# Allegro board SDHCalFEB20180110.brd (continued)
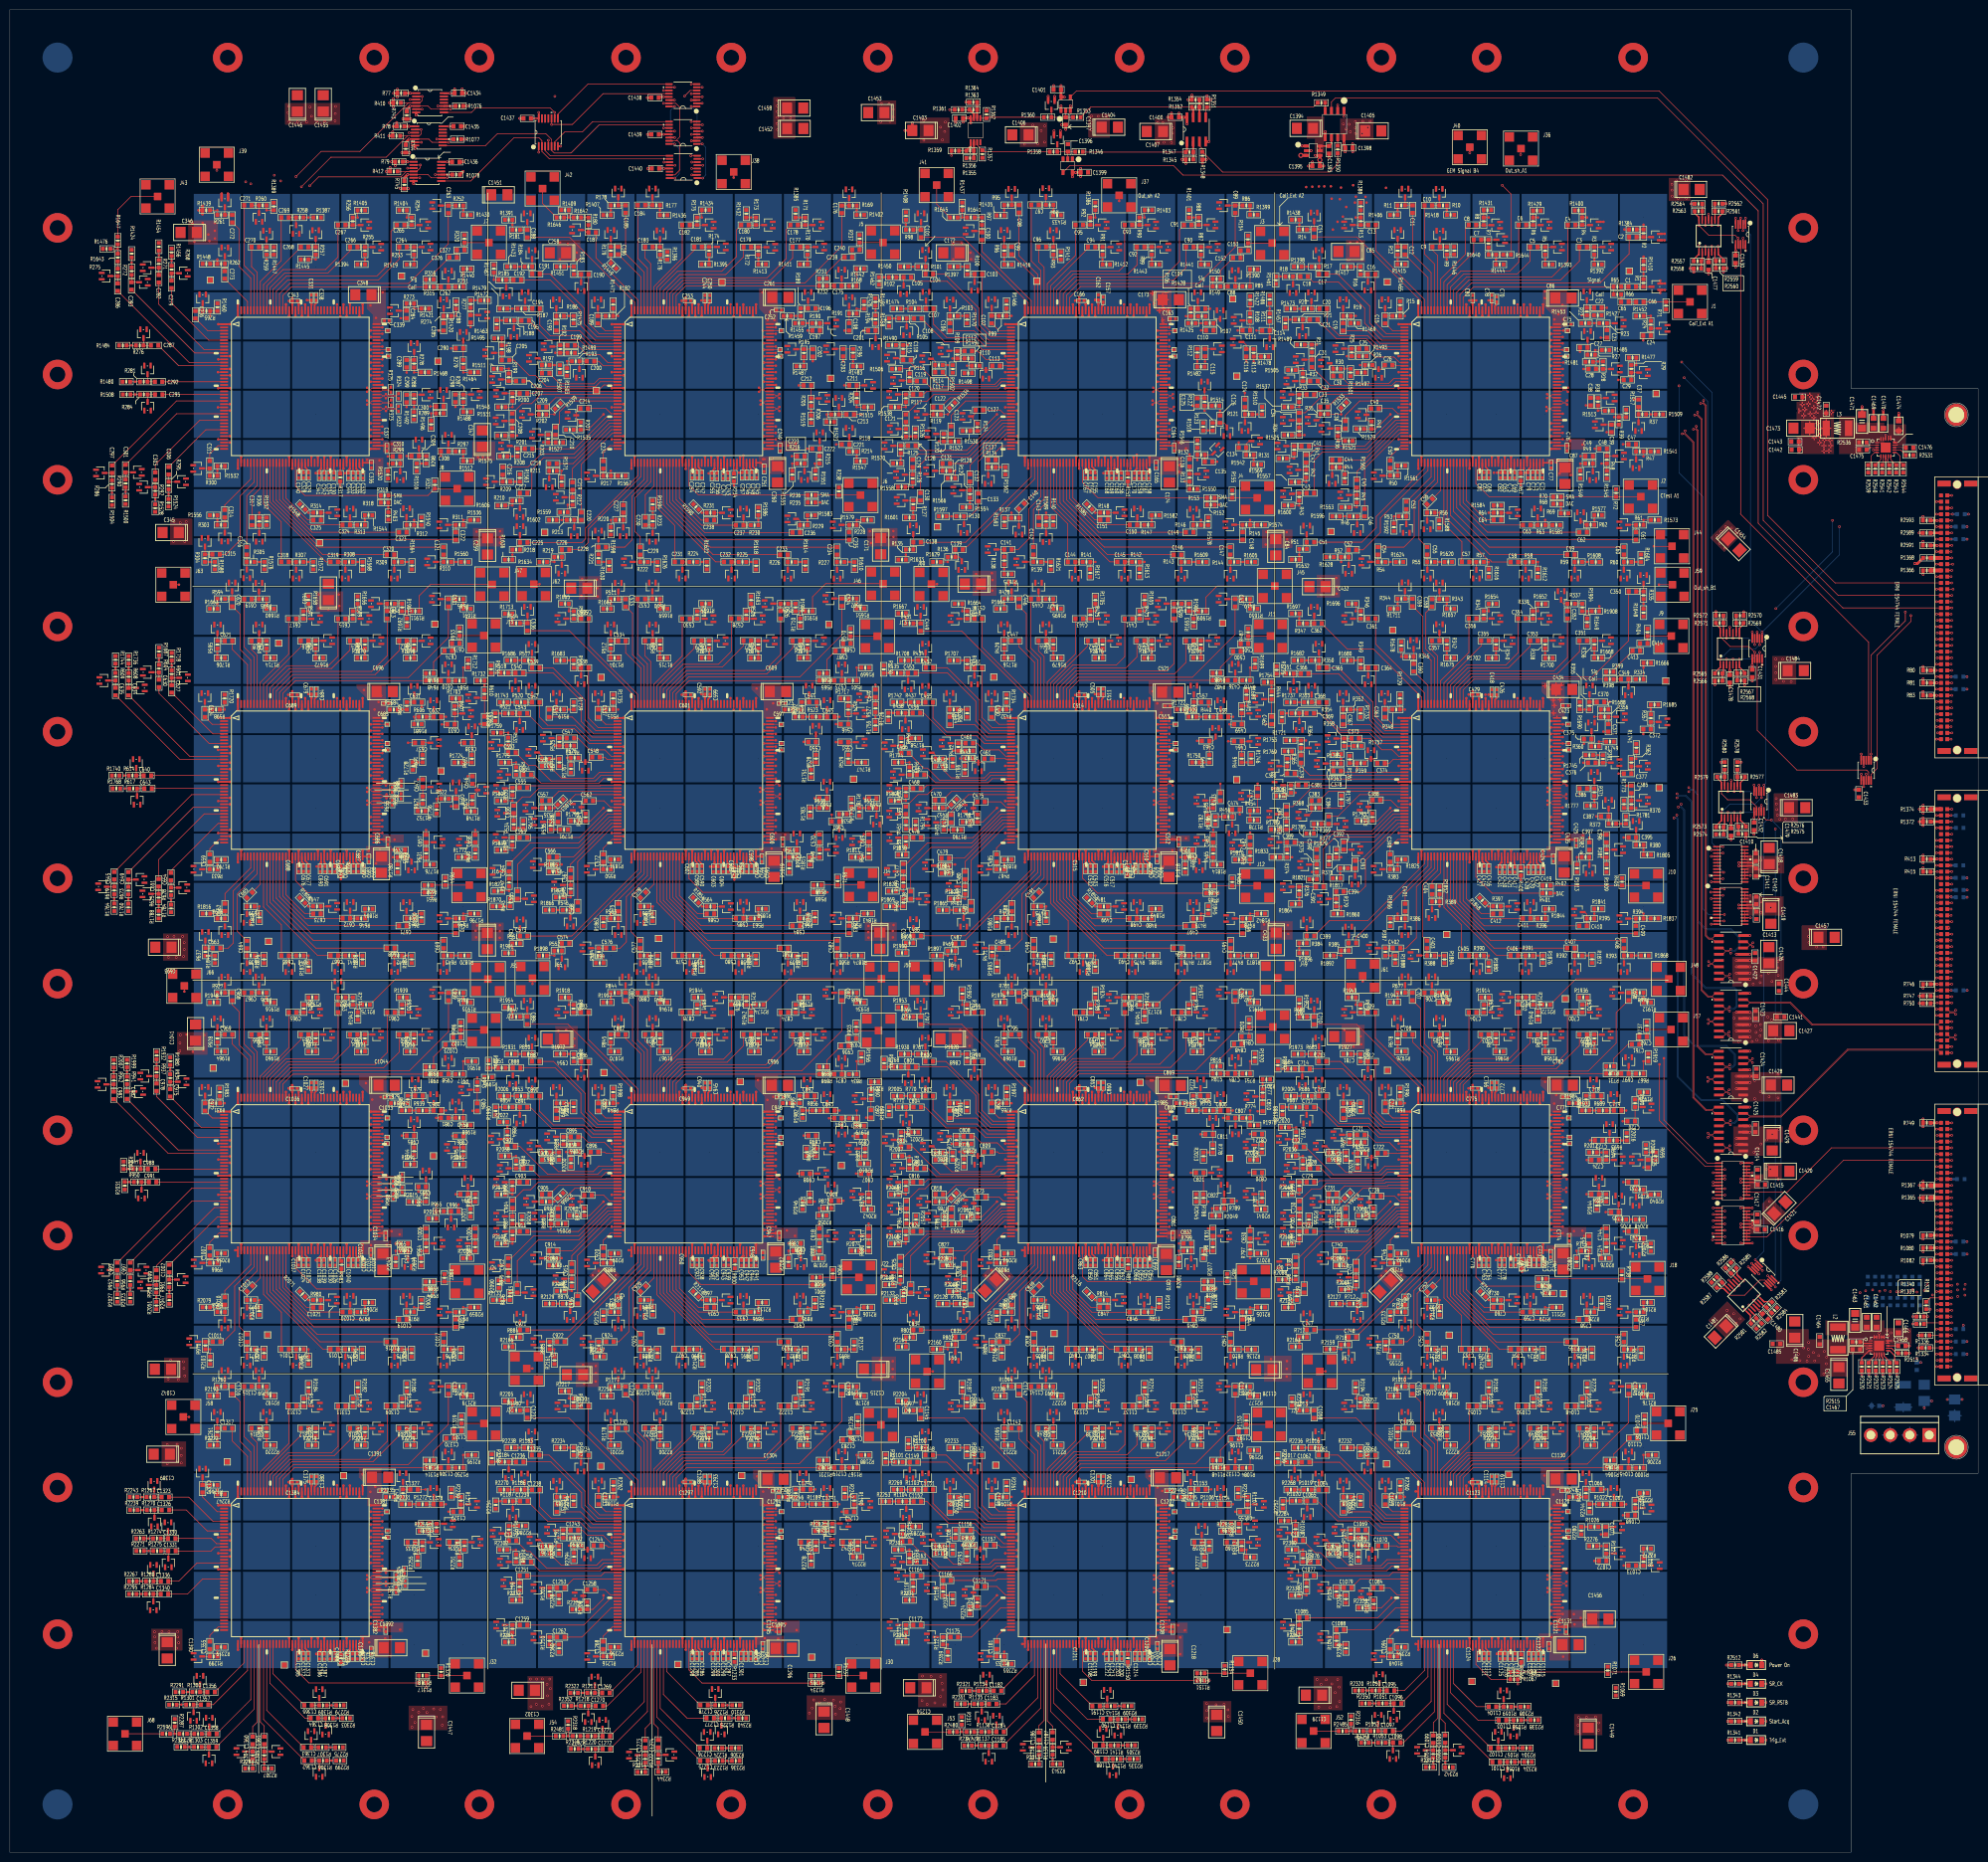
[diagram p0: board, top side]
## Placement (name value [footprint] x y rotation side) (continued)
R1021  100  [SR0603]  320.5 72.96 90 top
R1022  100  [SR0603]  323.94 70.71 0 top
R1023  100  [SR0603]  330.5 70.7 270 top
R1024  100  [SR0603]  272.67 64.7 90 top
R1025  100  [SR0603]  274.96 62.26 0 top
R1026  100  [SR0603]  322.23 66.12 0 top
R1027  100  [SR0603]  324.64 61.46 270 top
R1028  100  [SR0603]  332.19 59 270 top
R1029  100  [SR0603]  269.01 62.2 180 top
R1030  100  [SR0603]  261.45 65.63 270 top
R1031  100  [SR0603]  262.95 59.74 270 top
R1032  100  [SR0603]  263.67 53.92 90 top
R1034  100  [SR0603]  269.76 52.96 90 top
R1039  100  [SR0603]  277.33 50.42 90 top
R1040  100  [SR0603]  262.2 45.39 90 top
R1043  100  [SR0603]  269.76 42.95 90 top
R1049  100  [SR0603]  281.43 39.77 180 top
R1050  100  [SR0603]  277.75 32.85 0 top
R1051  100  [SR0603]  279.15 30.23 0 top
R1052  100  [SR0603]  277.47 24.62 0 top
R1053  100  [SR0603]  278.99 22.23 0 top
R1054  100  [SR0603]  289.45 19.94 90 top
R1055  100  [SR0603]  291.89 19.96 90 top
R1056  100  [SR0603]  305.26 18.33 180 top
R1057  100  [SR0603]  304.93 21.15 180 top
R1058  100  [SR0603]  306.55 26.84 180 top
R1059  100  [SR0603]  304.52 29.56 180 top
R1064  0  [SR0603]  325.4 78.12 180 top
R1065  x  [SR0603]  325.4 79.62 180 top
R1066  x  [SR0603]  307.34 39.4 270 top
R1067  0  [SR0603]  305.87 35.12 180 top
R1068  x  [SR0603]  305.87 36.62 180 top
R1069  x  [SR0603]  326.55 32.61 270 top
R1070  50  [SR0603]  332.4 87.91 90 top
R1071  50  [SR0603]  324.93 36.93 270 top
R1076  10k  [SR0603]  91.41 354.85 180 top
R1077  10k  [SR0603]  91.01 348.12 0 top
R1078  10k  [SR0603]  90.75 340.91 180 top
R1079  10k  [SR0603]  389.81 125.36 0 top
R1080  10k  [SR0603]  389.81 122.82 0 top
R1081  10k  [SR0603]  396.47 124.08 180 bottom
R1082  10k  [SR0603]  389.81 120.28 0 top
R1083  10k  [SR0603]  396.49 121.54 180 bottom
R1084  100  [SR0603]  251.43 78.11 180 top
R1085  100  [SR0603]  251.43 94.63 180 top
R1086  100  [SR0603]  242.19 85.4 90 top
R1087  100  [SR0603]  239.75 91.43 270 top
R1088  100  [SR0603]  232.2 85.39 90 top
R1089  100  [SR0603]  229.77 91.43 270 top
R1090  100  [SR0603]  222.2 85.4 90 top
R1091  100  [SR0603]  219.76 91.43 270 top
R1092  100  [SR0603]  212.19 85.4 90 top
R1093  100  [SR0603]  211.45 94.64 180 top
R1094  100  [SR0603]  202.95 94.64 0 top
R1095  100  [SR0603]  202.21 85.4 90 top
R1096  100  [SR0603]  194.64 91.43 270 top
R1097  100  [SR0603]  182.97 89.76 0 top
R1098  100  [SR0603]  201.95 72.19 180 top
R1099  100  [SR0603]  194.64 81.42 270 top
R1100  100  [SR0603]  185.4 82.19 0 top
R1101  100  [SR0603]  180.76 79.27 0 top
R1102  100  [SR0603]  191.96 72.19 180 top
R1103  100  [SR0603]  183.93 73.69 0 top
R1104  100  [SR0603]  181.52 71.27 0 top
R1105  100  [SR0603]  240.13 72.96 90 top
R1106  100  [SR0603]  243.93 70.71 0 top
R1107  100  [SR0603]  251.69 71.44 270 top
R1108  100  [SR0603]  192.3 64.65 90 top
R1109  100  [SR0603]  195.33 62.38 0 top
R1110  100  [SR0603]  249.91 65.97 90 top
R1111  100  [SR0603]  243.89 62.24 90 top
R1112  100  [SR0603]  250.49 62.21 90 top
R1113  100  [SR0603]  188.99 62.2 180 top
R1114  100  [SR0603]  181.49 65.43 270 top
R1115  100  [SR0603]  182.94 59.74 270 top
R1116  100  [SR0603]  183.68 53.92 90 top
R1118  100  [SR0603]  189.78 52.96 90 top
R1123  100  [SR0603]  196.74 50.72 90 top
R1124  100  [SR0603]  182.21 45.39 90 top
R1127  100  [SR0603]  189.78 42.95 90 top
R1133  100  [SR0603]  201.45 39.77 180 top
R1134  100  [SR0603]  197.82 32.77 0 top
R1135  100  [SR0603]  196.85 30.11 0 top
R1136  100  [SR0603]  198.35 24.44 0 top
R1137  100  [SR0603]  198.3 21.68 0 top
R1138  100  [SR0603]  209.29 20.55 90 top
R1139  100  [SR0603]  212.06 20.57 90 top
R1140  100  [SR0603]  225.07 18.94 180 top
R1141  100  [SR0603]  224.59 21.71 180 top
R1142  100  [SR0603]  226.06 27.02 180 top
R1143  100  [SR0603]  223.9 29.68 180 top
R1148  0  [SR0603]  245.39 78.12 180 top
R1149  x  [SR0603]  245.39 79.62 180 top
R1150  x  [SR0603]  227.34 39.42 270 top
R1151  0  [SR0603]  242.19 34.87 180 top
R1152  x  [SR0603]  242.19 36.36 180 top
R1153  50  [SR0603]  251.43 87.71 90 top
R1154  50  [SR0603]  247.02 37.13 270 top
R1167  100  [SR0603]  171.45 78.15 180 top
R1168  100  [SR0603]  171.44 94.64 180 top
R1169  100  [SR0603]  162.2 85.4 90 top
R1170  100  [SR0603]  159.77 91.43 270 top
R1171  100  [SR0603]  152.2 85.38 90 top
R1172  100  [SR0603]  149.76 91.43 270 top
R1173  100  [SR0603]  142.19 85.4 90 top
R1174  100  [SR0603]  139.75 91.43 270 top
R1175  100  [SR0603]  132.21 85.4 90 top
R1176  100  [SR0603]  131.44 94.64 180 top
R1177  100  [SR0603]  122.97 94.61 0 top
R1178  100  [SR0603]  122.2 85.4 90 top
R1179  100  [SR0603]  114.63 91.43 270 top
R1180  100  [SR0603]  102.98 89.79 0 top
R1181  100  [SR0603]  121.96 72.21 180 top
R1182  100  [SR0603]  114.63 81.45 270 top
R1183  100  [SR0603]  105.39 82.19 0 top
R1184  100  [SR0603]  100.67 79.32 0 top
R1185  100  [SR0603]  111.95 72.19 180 top
R1186  100  [SR0603]  103.92 73.66 0 top
R1187  100  [SR0603]  101.51 71.32 0 top
R1188  100  [SR0603]  159.79 72.96 90 top
R1189  100  [SR0603]  163.92 70.71 0 top
R1190  100  [SR0603]  171.68 71.44 270 top
R1191  100  [SR0603]  112.52 64.68 90 top
R1192  100  [SR0603]  115.45 62.31 0 top
R1193  100  [SR0603]  167.23 66.02 90 top
R1194  100  [SR0603]  163.91 62.21 90 top
R1195  100  [SR0603]  172.42 62.24 90 top
R1196  100  [SR0603]  109.01 62.2 180 top
R1197  100  [SR0603]  101.47 65.55 270 top
R1198  100  [SR0603]  102.96 59.74 270 top
R1199  100  [SR0603]  103.67 53.92 90 top
R1201  100  [SR0603]  109.77 52.96 90 top
R1206  100  [SR0603]  117.39 50.09 90 top
R1207  100  [SR0603]  102.2 45.39 90 top
R1210  100  [SR0603]  109.77 42.95 90 top
R1216  100  [SR0603]  121.44 39.77 180 top
R1217  100  [SR0603]  118.19 32.37 0 top
R1218  100  [SR0603]  116.87 29.73 0 top
R1219  100  [SR0603]  118.26 23.58 0 top
R1220  100  [SR0603]  118.29 20.96 0 top
R1221  100  [SR0603]  129.2 18.95 90 top
R1222  100  [SR0603]  131.84 19.02 90 top
R1223  100  [SR0603]  144.17 18.56 180 top
R1224  100  [SR0603]  144.07 21.15 180 top
R1225  100  [SR0603]  145.44 27.25 180 top
R1226  100  [SR0603]  144.2 29.86 180 top
R1231  0  [SR0603]  165.4 78.12 180 top
R1232  x  [SR0603]  165.4 79.62 180 top
R1233  x  [SR0603]  147.35 39.42 270 top
R1234  0  [SR0603]  163.75 34.36 180 top
R1235  x  [SR0603]  163.75 35.88 180 top
R1236  50  [SR0603]  172.43 87.6 90 top
R1237  50  [SR0603]  168.59 36.65 270 top
R1250  100  [SR0603]  91.43 78.13 180 top
R1251  100  [SR0603]  91.43 94.64 180 top
R1252  100  [SR0603]  82.19 85.4 90 top
R1253  100  [SR0603]  79.76 91.43 270 top
R1254  100  [SR0603]  72.21 85.38 90 top
R1255  100  [SR0603]  69.77 91.43 270 top
R1256  100  [SR0603]  62.2 85.38 90 top
R1257  100  [SR0603]  59.77 91.43 270 top
R1258  100  [SR0603]  52.2 85.4 90 top
R1259  100  [SR0603]  51.43 94.64 180 top
R1260  100  [SR0603]  42.96 94.64 0 top
R1261  100  [SR0603]  42.19 85.4 90 top
R1264  100  [SR0603]  41.44 74.63 180 top
R1267  100  [SR0603]  28.58 72.16 0 top
R1270  100  [SR0603]  28.63 69.52 0 top
R1271  100  [SR0603]  79.93 72.96 90 top
R1272  100  [SR0603]  83.93 70.71 0 top
R1273  100  [SR0603]  91.69 71.44 270 top
R1274  100  [SR0603]  29.9 63.75 0 top
R1275  100  [SR0603]  29.96 61.21 0 top
R1276  100  [SR0603]  86.77 66 90 top
R1277  100  [SR0603]  83.9 62.21 90 top
R1278  100  [SR0603]  92.42 62.23 90 top
R1280  100  [SR0603]  28.46 55.07 0 top
R1284  100  [SR0603]  28.42 52.46 0 top
R1299  100  [SR0603]  41.43 39.77 180 top
R1300  100  [SR0603]  37.9 32.55 0 top
R1301  100  [SR0603]  36.6 29.98 0 top
R1302  100  [SR0603]  38.28 24.04 0 top
R1303  100  [SR0603]  38.23 21.37 0 top
R1304  100  [SR0603]  49.37 19.68 90 top
R1305  100  [SR0603]  51.73 19.68 90 top
R1306  100  [SR0603]  63.68 18.61 180 top
R1307  100  [SR0603]  63.53 21.3 180 top
R1308  100  [SR0603]  64.95 27.22 180 top
R1309  100  [SR0603]  63.68 29.84 180 top
R1314  0  [SR0603]  85.39 78.12 180 top
R1315  x  [SR0603]  85.39 79.62 180 top
R1316  x  [SR0603]  67.34 39.37 270 top
R1317  0  [SR0603]  83.95 34.38 180 top
R1318  x  [SR0603]  83.95 35.88 180 top
R1319  50  [SR0603]  91.84 87.88 90 top
R1320  50  [SR0603]  87.69 36.65 270 top
R1321  100  [SR0402]  78.56 53.29 90 top
R1322  100  [SR0402]  80.39 54.58 90 top
R1323  100  [SR0402]  78.59 55.85 270 top
R1324  100  [SR0402]  80.26 57.15 90 top
R1333  0  [SR0603]  396.47 101.22 0 bottom
R1334  0  [SR0603]  389.59 102.49 180 top
R1335  0  [SR0603]  396.47 103.76 0 bottom
R1336  0  [SR0603]  389.59 105.03 180 top
R1337  0  [SR0603]  396.47 106.3 0 bottom
R1338  0  [SR0603]  389.69 111.1 90 top
R1339  0  [SR0603]  388.47 107.34 0 top
R1340  0  [SR0603]  388.47 108.84 0 top
R1341  1k  [SR0603]  350.82 22.78 180 top
R1342  1k  [SR0603]  350.82 26.59 180 top
R1343  1k  [SR0603]  350.82 30.4 180 top
R1344  1k  [SR0603]  350.82 34.21 180 top
R1345  x  [SR0603]  239.89 343.99 0 top
R1346  10k  [SR0603]  217.41 345.57 0 top
R1347  10k  [SR0603]  239.89 345.49 0 top
R1348  x  [SR0603]  242.52 344.76 90 top
R1349  0  [SR0603]  266.7 355.52 180 top
R1350  0  [SR0603]  270.02 346.02 90 top
R1351  x  [SR0603]  243.43 355.39 270 top
R1352  10k  [SR0603]  241.13 354.63 0 top
R1353  10k  [SR0603]  216.97 352.58 0 top
R1354  x  [SR0603]  241.13 356.13 0 top
R1355  1k  [SR0603]  195.26 344.27 0 top
R1356  1k  [SR0603]  195.26 345.77 0 top
R1357  x  [SR0603]  197.76 345.09 90 top
R1358  0  [SR0603]  212.23 345.57 180 top
R1359  50  [SR0603]  192.23 345.77 0 top
R1360  0  [SR0603]  211.04 352.58 180 top
R1361  50  [SR0603]  192.9 354.1 0 top
R1362  x  [SR0603]  198.6 353.14 270 top
R1363  1k  [SR0603]  195.92 354.1 0 top
R1364  1k  [SR0603]  195.92 355.63 0 top
R1365  0  [SR0603]  389.81 132.97 180 top
R1366  0  [SR0603]  389.81 260.48 180 top
R1367  0  [SR0603]  389.81 135.51 180 top
R1368  0  [SR0603]  389.83 263.02 180 top
R1369  0  [SR0603]  396.72 136.78 180 bottom
R1370  0  [SR0603]  396.47 200.53 180 bottom
R1371  0  [SR0603]  396.49 208.15 180 bottom
R1372  0  [SR0603]  389.81 209.42 180 top
R1373  0  [SR0603]  396.47 210.69 180 bottom
R1374  0  [SR0603]  389.81 211.96 180 top
R1384  1M  [SR0603]  330.05 329.77 0 top
R1385  1M  [SR0603]  159.77 332.97 270 top
R1386  1M  [SR0603]  220.73 334.47 270 top
R1387  1M  [SR0603]  62.51 332.21 180 top
R1388  1M  [SR0603]  274.7 334.47 270 top
R1389  1M  [SR0603]  53.67 334.44 270 top
R1390  1M  [SR0603]  252.96 321.69 180 top
R1391  1M  [SR0603]  101.45 331.72 0 top
R1392  1M  [SR0603]  322.96 322.66 180 top
R1393  1M  [SR0603]  312.95 322.66 180 top
R1394  1M  [SR0603]  71.45 322.68 0 top
R1395  1M  [SR0603]  141.43 322.71 0 top
R1396  1M  [SR0603]  133.71 324.43 270 top
R1397  1M  [SR0603]  191.95 322.2 0 top
R1398  1M  [SR0603]  261.87 322.2 0 top
R1399  1M  [SR0603]  252.96 332.77 180 top
R1400  1M  [SR0603]  319 333.63 0 top
R1401  1M  [SR0603]  239.78 332.97 270 top
R1402  1M  [SR0603]  172.97 332.71 180 top
R1403  1M  [SR0603]  231.5 333.71 180 top
R1404  1M  [SR0603]  79.96 333.68 0 top
R1405  1M  [SR0603]  71.48 333.65 180 top
R1406  1M  [SR0603]  281.43 332.71 0 top
R1407  1M  [SR0603]  121.44 332.69 0 top
R1408  1M  [SR0603]  182.22 332.51 270 top
R1409  1M  [SR0603]  112.9 333.71 0 top
R1410  1M  [SR0603]  332.21 322.55 270 top
R1411  1M  [SR0603]  161.44 322.71 0 top
R1412  1M  [SR0603]  222.96 322.66 180 top
R1413  1M  [SR0603]  152.96 322.71 180 top
R1414  1M  [SR0603]  213.72 324.43 270 top
R1415  1M  [SR0603]  282.96 322.71 180 top
R1416  1M  [SR0603]  202.97 322.63 180 top
R1417  1M  [SR0603]  271.93 322.2 0 top
R1418  1M  [SR0603]  292.96 332.74 180 top
R1419  1M  [SR0603]  81.43 322.66 0 top
R1420  1M  [SR0603]  90.73 314.43 270 top
R1421  1M  [SR0603]  84.45 313.66 180 top
R1422  1M  [SR0603]  252.22 315.44 270 top
R1423  1M  [SR0603]  101.88 322.2 0 top
R1424  1M  [SR0603]  24.77 324.87 270 top
R1425  1M  [SR0603]  240.36 310.72 0 top
R1426  1M  [SR0603]  173.71 314.43 270 top
R1427  1M  [SR0603]  322.91 312.32 180 top
R1428  1M  [SR0603]  242.39 312.14 180 top
R1429  1M  [SR0603]  310.51 333.6 180 top
R1430  1M  [SR0603]  92.96 332.71 180 top
R1431  1M  [SR0603]  300.46 333.71 180 top
R1432  1M  [SR0603]  149.76 332.97 270 top
R1433  1M  [SR0603]  212.95 332.66 180 top
R1434  1M  [SR0603]  141.48 333.71 180 top
R1435  1M  [SR0603]  201.45 332.61 0 top
R1436  1M  [SR0603]  132.97 332.66 180 top
R1437  1M  [SR0603]  193.68 334.47 270 top
R1438  1M  [SR0603]  261.44 331.75 0 top
R1439  1M  [SR0603]  39.93 333.68 0 top
R1440  1M  [SR0603]  92.96 321.74 180 top
R1441  1M  [SR0603]  242.98 322.66 180 top
R1442  1M  [SR0603]  172.95 321.77 180 top
R1443  1M  [SR0603]  232.97 322.68 180 top
R1444  1M  [SR0603]  302.97 322.66 180 top
R1445  1M  [SR0603]  59.94 323.67 0 top
R1446  1M  [SR0603]  293.7 325.48 270 top
R1447  1M  [SR0603]  53.7 325.42 270 top
R1448  1M  [SR0603]  39.95 322.78 0 top
R1449  1M  [SR0603]  122.76 322.39 135 top
R1450  1M  [SR0603]  181.86 322.2 0 top
R1451  1M  [SR0603]  111.94 322.2 0 top
R1452  1M  [SR0603]  331.44 312.19 0 top
R1453  1M  [SR0603]  320.37 310.72 0 top
R1454  1M  [SR0603]  30.3 326.26 270 top
R1455  1M  [SR0603]  160.45 310.72 0 top
R1456  1M  [SR0603]  32.89 325.12 270 top
R1457  1M  [SR0603]  259.38 310.69 90 top
R1458  1M  [SR0603]  178.79 310.92 90 top
R1459  1M  [SR0603]  158.06 312.19 0 top
R1460  1M  [SR0603]  42.21 313.97 270 top
R1461  1M  [SR0603]  257.43 319.46 90 top
R1462  1M  [SR0603]  176.78 319.3 90 top
R1463  1M  [SR0603]  99.01 310.51 90 top
R1464  1M  [SR0603]  94.44 300.74 180 top
R1465  1M  [SR0603]  282.7 314.4 270 top
R1466  1M  [SR0603]  202.67 314.5 270 top
R1467  1M  [SR0603]  98.42 321.79 270 top
R1468  1M  [SR0603]  84.4 300.74 180 top
R1469  1M  [SR0603]  273.43 310.72 180 top
R1470  1M  [SR0603]  194.64 311.43 90 top
R1471  1M  [SR0603]  122.68 314.5 270 top
R1472  1M  [SR0603]  96.49 315.37 180 top
R1473  1M  [SR0603]  260.48 313.66 0 top
R1474  1M  [SR0603]  180.39 313.66 0 top
R1475  1M  [SR0603]  114.63 311.43 90 top
R1476  1M  [SR0603]  19.68 325.83 0 top
R1477  1M  [SR0603]  329.97 303.71 0 top
R1478  1M  [SR0603]  255.17 303.94 180 top
R1479  1M  [SR0603]  100.38 313.66 0 top
R1480  1M  [SR0603]  23.7 298.83 0 top
R1481  1M  [SR0603]  321.18 302.87 0 top
R1482  1M  [SR0603]  242.21 301.88 180 top
R1483  1M  [SR0603]  172.24 301.96 180 top
R1484  1M  [SR0603]  22.99 306.2 0 top
R1485  1M  [SR0603]  324.51 305.26 180 top
R1486  1M  [SR0603]  256.18 315.54 270 top
R1487  1M  [SR0603]  160.71 301.96 0 top
R1488  1M  [SR0603]  92.96 292.68 180 top
R1489  1M  [SR0603]  262.53 306.35 0 top
R1490  1M  [SR0603]  179.43 306.27 0 top
R1491  1M  [SR0603]  176.02 315.04 270 top
R1492  1M  [SR0603]  82.19 291.91 90 top
R1493  1M  [SR0603]  275.12 304.01 180 top
R1494  1M  [SR0603]  194.88 303.55 180 top
R1495  1M  [SR0603]  99.3 307.65 0 top
R1496  1M  [SR0603]  85.67 290.15 90 top
R1497  1M  [SR0603]  274.81 300.69 0 top
R1498  1M  [SR0603]  194.88 300.56 0 top
R1499  1M  [SR0603]  114.14 304.69 180 top
R1500  1M  [SR0603]  23.54 274.74 90 top
R1501  1M  [SR0603]  272.61 300.69 90 top
R1502  1M  [SR0603]  191.74 301.43 90 top
R1503  1M  [SR0603]  113.31 300.82 90 top
R1504  1M  [SR0603]  20.77 274.53 90 top
R1505  1M  [SR0603]  260.66 301.2 0 top
R1506  1M  [SR0603]  180.17 301.45 0 top
R1507  1M  [SR0603]  111.86 301.43 90 top
R1508  1M  [SR0603]  23.76 296.24 0 top
R1509  1M  [SR0603]  335.42 292.2 180 top
R1510  1M  [SR0603]  254.64 292.95 270 top
R1511  1M  [SR0603]  99.17 301.45 0 top
R1512  1M  [SR0603]  92.98 282.72 180 top
R1513  1M  [SR0603]  325.14 292.93 180 top
R1514  1M  [SR0603]  245.2 293.95 180 top
R1515  1M  [SR0603]  174.46 293.67 180 top
R1516  1M  [SR0603]  82.72 281.44 90 top
R1517  1M  [SR0603]  328.68 292.4 270 top
R1518  1M  [SR0603]  242.68 289.68 270 top
R1519  1M  [SR0603]  162.94 291.22 90 top
R1520  1M  [SR0603]  76.88 279.92 90 top
R1521  1M  [SR0603]  272.28 286.81 180 top
R1522  1M  [SR0603]  192.14 286.71 180 top
R1523  1M  [SR0603]  166.84 290.65 180 top
R1524  1M  [SR0603]  32.28 274.23 90 top
R1525  1M  [SR0603]  259.9 287.99 0 top
R1526  1M  [SR0603]  184.15 288.46 270 top
R1527  1M  [SR0603]  111.75 286.51 180 top
R1528  1M  [SR0603]  29.56 273.14 90 top
R1529  1M  [SR0603]  274.58 289.23 0 top
R1530  1M  [SR0603]  194.52 288.83 0 top
R1531  1M  [SR0603]  99.93 287.89 0 top
R1532  1M  [SR0603]  42.97 281.68 180 top
R1533  1M  [SR0603]  271.25 294.06 225 top
R1534  1M  [SR0603]  191.61 294.04 225 top
R1535  1M  [SR0603]  113.85 289.08 0 top
R1536  1M  [SR0603]  94.43 270.73 180 top
R1537  1M  [SR0603]  259.93 293.68 0 top
R1538  1M  [SR0603]  179.97 293.65 0 top
R1539  1M  [SR0603]  111.41 293.89 225 top
R1540  1M  [SR0603]  83.7 270.48 270 top
R1541  1M  [SR0603]  334.43 284.65 180 top
R1542  1M  [SR0603]  253.69 281.99 180 top
R1543  1M  [SR0603]  100.03 293.68 0 top
R1544  1M  [SR0603]  72.94 271.7 180 top
R1545  1M  [SR0603]  324.73 279.94 90 top
R1546  1M  [SR0603]  241.48 286.17 270 top
R1547  1M  [SR0603]  172.96 282.7 180 top
R1548  1M  [SR0603]  59.52 273.43 315 top
R1549  1M  [SR0603]  319.35 279.97 90 top
R1550  1M  [SR0603]  240.68 277.03 180 top
R1551  1M  [SR0603]  163.8 279.97 90 top
R1552  1M  [SR0603]  52.22 270.44 90 top
R1553  1M  [SR0603]  271.56 273.31 0 top
R1554  1M  [SR0603]  194.47 273.31 0 top
R1555  1M  [SR0603]  159.1 279.94 90 top
R1556  1M  [SR0603]  41.44 271.68 0 top
R1557  1M  [SR0603]  261.35 278.44 0 top
R1558  1M  [SR0603]  181.34 277.45 0 top
R1559  1M  [SR0603]  112.66 272.32 0 top
R1560  1M  [SR0603]  92.52 262.2 180 top
R1561  1M  [SR0603]  282.97 281.76 180 top
R1562  1M  [SR0603]  202.43 280.7 90 top
R1563  1M  [SR0603]  103.71 279.26 270 top
R1564  1M  [SR0603]  81.76 261.45 90 top
R1565  1M  [SR0603]  271.45 279.23 90 top
R1566  1M  [SR0603]  191.45 279.23 0 top
R1567  1M  [SR0603]  124.43 279.7 180 top
R1568  1M  [SR0603]  71.73 261.45 90 top
R1569  1M  [SR0603]  258.86 283.24 0 top
R1570  1M  [SR0603]  180.4 282.25 0 top
R1571  1M  [SR0603]  112.21 278.52 90 top
R1572  1M  [SR0603]  61.72 261.45 90 top
R1573  1M  [SR0603]  334.48 270.73 180 top
R1574  1M  [SR0603]  254.47 269.74 180 top
R1575  1M  [SR0603]  100.42 283.67 0 top
R1576  1M  [SR0603]  51.76 261.45 90 top
R1577  1M  [SR0603]  322.98 271.73 180 top
R1578  1M  [SR0603]  243.67 270.45 270 top
R1579  1M  [SR0603]  174.39 270.73 180 top
R1580  1M  [SR0603]  41.68 261.45 90 top
R1581  1M  [SR0603]  314.47 269.69 180 top
R1582  1M  [SR0603]  232.96 271.7 180 top
R1583  1M  [SR0603]  162.96 271.67 180 top
R1584  1M  [SR0603]  302.48 273.68 180 top
R1585  1M  [SR0603]  219.51 273.43 315 top
R1586  1M  [SR0603]  152.2 272.48 270 top
R1588  1M  [SR0603]  290.65 269.86 90 top
R1589  1M  [SR0603]  212.19 270.44 90 top
R1590  1M  [SR0603]  139.52 273.41 315 top
R1592  1M  [SR0603]  281.45 269.25 90 top
R1593  1M  [SR0603]  202.23 270.37 90 top
R1594  1M  [SR0603]  130.71 273.9 270 top
R1596  1M  [SR0603]  269.68 271.45 0 top
R1597  1M  [SR0603]  189.67 271.48 0 top
R1598  1M  [SR0603]  122.22 268.51 90 top
R1600  1M  [SR0603]  259.93 273.69 0 top
R1601  1M  [SR0603]  182.94 271.23 0 top
R1602  1M  [SR0603]  110.4 270.74 0 top
R1604  1M  [SR0603]  331.7 262.96 270 top
R1605  1M  [SR0603]  252.44 262.2 180 top
R1606  1M  [SR0603]  99.98 273.66 0 top
R1608  1M  [SR0603]  322.49 262.2 180 top
R1609  1M  [SR0603]  242.51 262.2 180 top
R1610  1M  [SR0603]  171.75 261.43 90 top
R1612  1M  [SR0603]  310.71 259.95 90 top
R1613  1M  [SR0603]  229.71 259.98 90 top
R1614  1M  [SR0603]  161.74 261.45 90 top
R1616  1M  [SR0603]  300.74 259.94 90 top
R1617  1M  [SR0603]  219.68 259.95 90 top
R1618  1M  [SR0603]  151.74 261.43 90 top
R1620  1M  [SR0603]  292.5 262.2 180 top
R1621  1M  [SR0603]  211.68 261.43 90 top
R1622  1M  [SR0603]  141.73 261.45 90 top
R1624  1M  [SR0603]  282.62 262.2 180 top
R1625  1M  [SR0603]  202.96 259.71 180 top
R1626  1M  [SR0603]  131.69 261.43 90 top
R1628  1M  [SR0603]  268.45 263.19 0 top
R1629  1M  [SR0603]  188.48 262.21 0 top
R1630  1M  [SR0603]  121.87 261.43 90 top
R1632  1M  [SR0603]  261.45 262.69 0 top
R1633  1M  [SR0603]  181.44 262.67 0 top
R1634  1M  [SR0603]  108.47 262.21 0 top
R1636  1M  [SR0603]  101.43 262.67 0 top
R1640  0  [SR0603]  301.45 324.64 0 top
R1641  0  [SR0603]  195.4 332.2 180 top
R1642  0  [SR0603]  115.39 332.2 180 top
R1643  0  [SR0603]  21.94 324.08 90 top
R1644  x  [SR0603]  304.47 324.64 180 top
R1645  x  [SR0603]  191.95 332.21 0 top
R1646  x  [SR0603]  111.94 332.21 0 top
R1647  x  [SR0603]  21.95 327.53 270 top
R1648  1M  [SR0603]  332.2 251.9 90 top
R1649  1M  [SR0603]  320.72 249.95 90 top
R1650  1M  [SR0603]  252.95 252.7 180 top
R1651  1M  [SR0603]  172.96 252.78 180 top
R1652  1M  [SR0603]  311.5 253.64 180 top
R1653  1M  [SR0603]  240.74 249.95 90 top
R1654  1M  [SR0603]  301.49 253.69 180 top
R1655  1M  [SR0603]  230.74 254.45 270 top
R1656  1M  [SR0603]  70.72 254.45 270 top
R1657  1M  [SR0603]  292.95 252.7 180 top
R1658  1M  [SR0603]  60.71 254.47 270 top
R1659  1M  [SR0603]  132.96 252.7 180 top
R1660  1M  [SR0603]  52.95 252.7 180 top
R1661  1M  [SR0603]  201.43 252.68 0 top
R1662  1M  [SR0603]  121.45 252.66 0 top
R1663  1M  [SR0603]  41.44 252.68 0 top
R1664  1M  [SR0603]  192.9 253.67 0 top
R1665  1M  [SR0603]  112.91 253.7 0 top
R1666  1M  [SR0603]  332.96 241.68 180 top
R1667  1M  [SR0603]  181.44 251.77 0 top
R1668  1M  [SR0603]  322.95 242.69 180 top
R1669  1M  [SR0603]  173.96 240.71 180 top
R1670  1M  [SR0603]  71.43 242.7 0 top
R1671  1M  [SR0603]  161.43 242.7 0 top
R1672  1M  [SR0603]  62.96 242.69 180 top
R1673  1M  [SR0603]  231.43 242.68 0 top
R1674  1M  [SR0603]  151.44 242.68 0 top
R1675  1M  [SR0603]  292.95 242.69 180 top
R1676  1M  [SR0603]  221.45 242.7 0 top
R1677  1M  [SR0603]  141.44 242.7 0 top
R1678  1M  [SR0603]  282.93 245.2 270 top
R1679  1M  [SR0603]  212.97 242.69 180 top
R1680  1M  [SR0603]  271.94 242.19 0 top
R1681  1M  [SR0603]  82.97 229.23 180 top
R1682  1M  [SR0603]  261.91 242.19 0 top
R1683  1M  [SR0603]  111.95 242.19 0 top
R1684  1M  [SR0603]  78.06 232.19 0 top
R1685  1M  [SR0603]  334.43 233.19 180 top
R1686  1M  [SR0603]  101.91 242.19 0 top
R1687  1M  [SR0603]  30.33 244.01 270 top
R1688  1M  [SR0603]  324.3 232.23 180 top
R1689  1M  [SR0603]  251.46 235.22 270 top
R1690  1M  [SR0603]  319.26 232.98 270 top
R1691  1M  [SR0603]  92.95 252.7 180 top
R1692  1M  [SR0603]  80.74 249.95 90 top
R1693  1M  [SR0603]  150.73 254.45 270 top
R1694  1M  [SR0603]  141.49 253.72 180 top
R1695  1M  [SR0603]  212.97 252.7 180 top
R1696  1M  [SR0603]  272.93 253.7 0 top
R1697  1M  [SR0603]  261.45 251.72 0 top
R1698  1M  [SR0603]  81.44 242.68 0 top
R1699  1M  [SR0603]  253.19 241.49 270 top
R1700  1M  [SR0603]  312.97 242.67 180 top
R1701  1M  [SR0603]  241.44 242.7 0 top
R1702  1M  [SR0603]  301.43 242.68 0 top
R1703  1M  [SR0603]  90.69 234.45 0 top
R1704  1M  [SR0603]  122.95 242.69 180 top
R1705  1M  [SR0603]  220.73 254.45 270 top
R1706  1M  [SR0603]  42.97 242.69 180 top
R1707  1M  [SR0603]  191.93 242.19 0 top
R1708  1M  [SR0603]  181.95 242.19 0 top
R1709  1M  [SR0603]  240.47 230.74 0 top
R1710  1M  [SR0603]  160.73 249.95 90 top
R1711  1M  [SR0603]  281.44 252.68 0 top
R1712  1M  [SR0603]  93.17 241.49 270 top
R1713  1M  [SR0603]  101.43 251.69 0 top
R1714  1M  [SR0603]  52.95 242.69 180 top
R1715  1M  [SR0603]  132.96 242.69 180 top
R1716  1M  [SR0603]  202.96 242.69 180 top
R1717  1M  [SR0603]  169.71 234.42 0 top
R1718  1M  [SR0603]  32.92 242.94 270 top
R1719  1M  [SR0603]  160.46 230.74 0 top
R1720  1M  [SR0603]  43.67 234.46 270 top
R1721  1M  [SR0603]  258.67 230.69 90 top
R1722  1M  [SR0603]  238.11 232.21 0 top
R1723  1M  [SR0603]  158.38 232.19 0 top
R1724  1M  [SR0603]  91.2 221.44 0 top
R1725  1M  [SR0603]  257.59 240.25 270 top
R1726  1M  [SR0603]  178.63 230.77 90 top
R1727  1M  [SR0603]  98.73 230.67 90 top
R1728  1M  [SR0603]  81.96 220.71 90 top
R1729  1M  [SR0603]  282.68 234.46 270 top
R1730  1M  [SR0603]  177.7 240.38 270 top
R1731  1M  [SR0603]  97.84 240.4 270 top
R1732  1M  [SR0603]  95.77 238.08 0 top
R1733  1M  [SR0603]  274.65 231.43 90 top
R1734  1M  [SR0603]  202.67 234.46 270 top
R1735  1M  [SR0603]  122.69 234.46 270 top
R1736  1M  [SR0603]  24.16 242.31 270 top
R1737  1M  [SR0603]  260.44 233.68 0 top
R1738  1M  [SR0603]  194.66 231.45 90 top
R1739  1M  [SR0603]  114.66 232.96 270 top
R1740  1M  [SR0603]  21.52 218.8 0 top
R1741  1M  [SR0603]  330.74 224.45 270 top
R1742  1M  [SR0603]  180.4 233.68 0 top
R1743  1M  [SR0603]  100.42 233.68 0 top
R1744  1M  [SR0603]  21.49 242.31 270 top
R1745  1M  [SR0603]  321.19 222.94 0 top
R1746  1M  [SR0603]  252.43 222.24 270 top
R1747  1M  [SR0603]  173.19 221.46 180 top
R1748  1M  [SR0603]  93.77 211.53 180 top
R1749  1M  [SR0603]  325.39 225.67 180 top
R1750  1M  [SR0603]  241.18 221.47 0 top
R1751  1M  [SR0603]  162.94 219.21 90 top
R1752  1M  [SR0603]  83.71 211.58 180 top
R1753  1M  [SR0603]  260.31 225.94 0 top
R1754  1M  [SR0603]  255.81 237.77 0 top
R1755  1M  [SR0603]  176.02 228.96 90 top